# KiCad board mod-badge-inercia.kicad_pcb
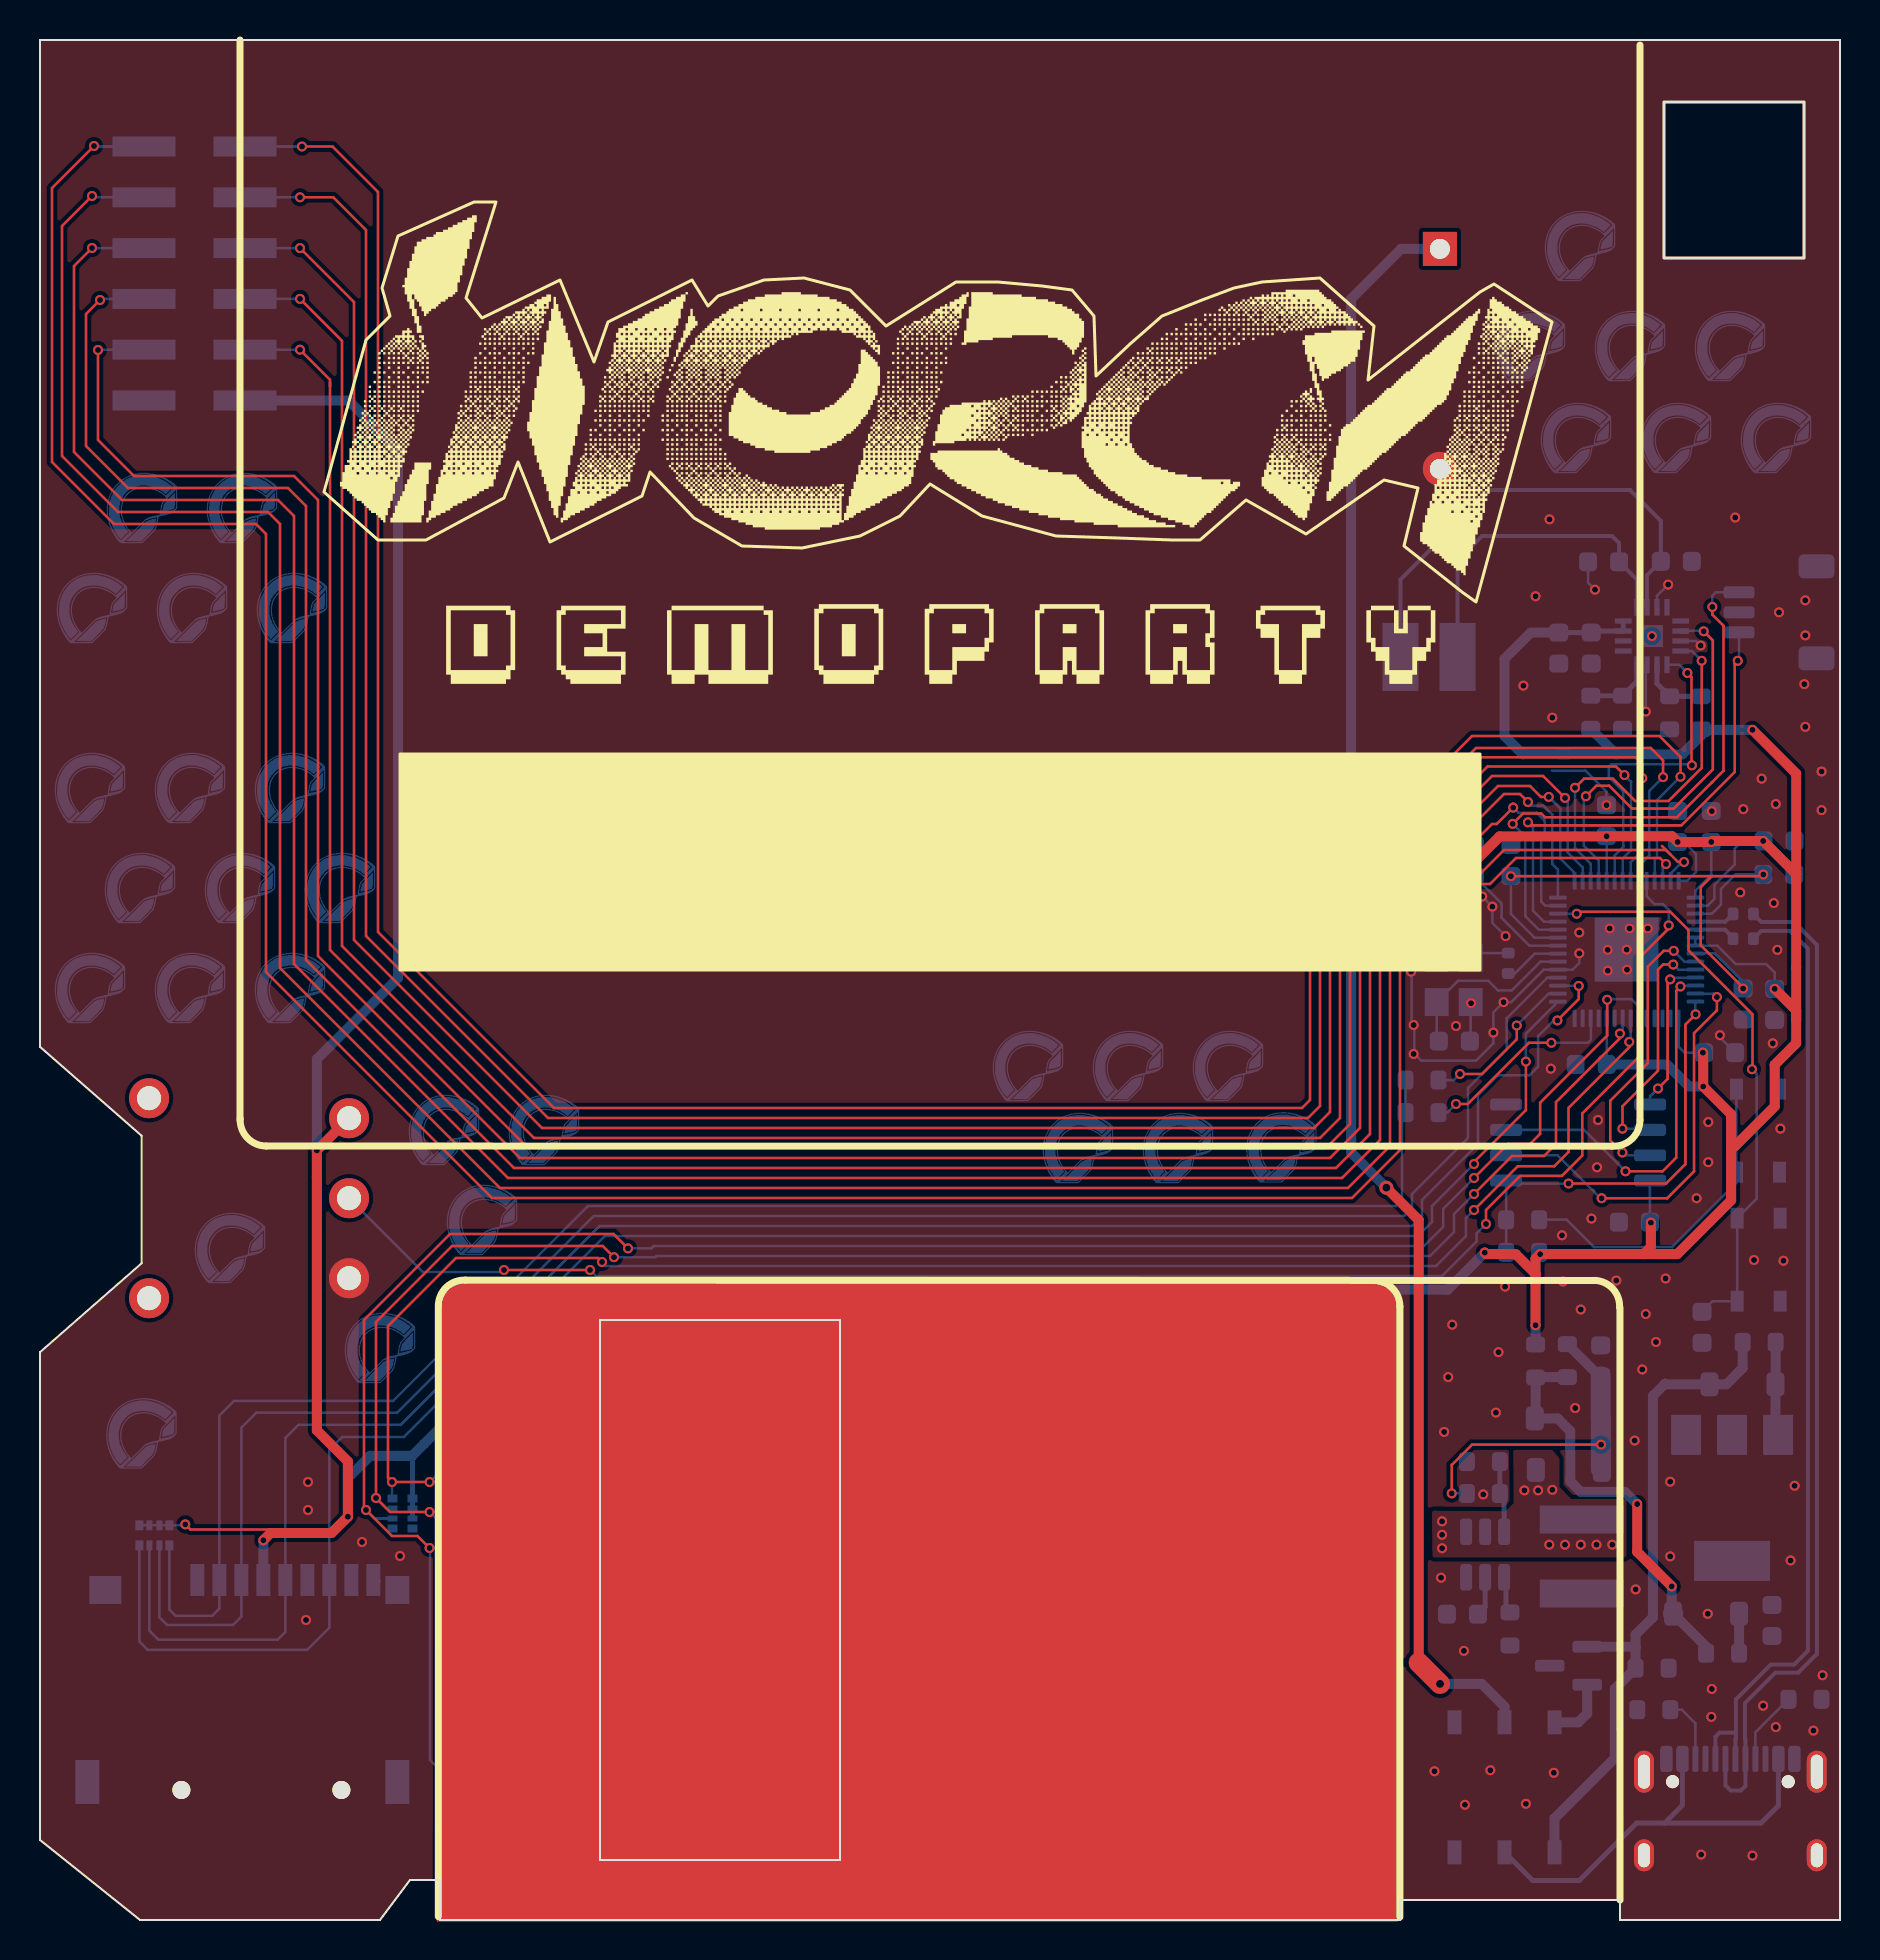
[diagram p0: board, top side]
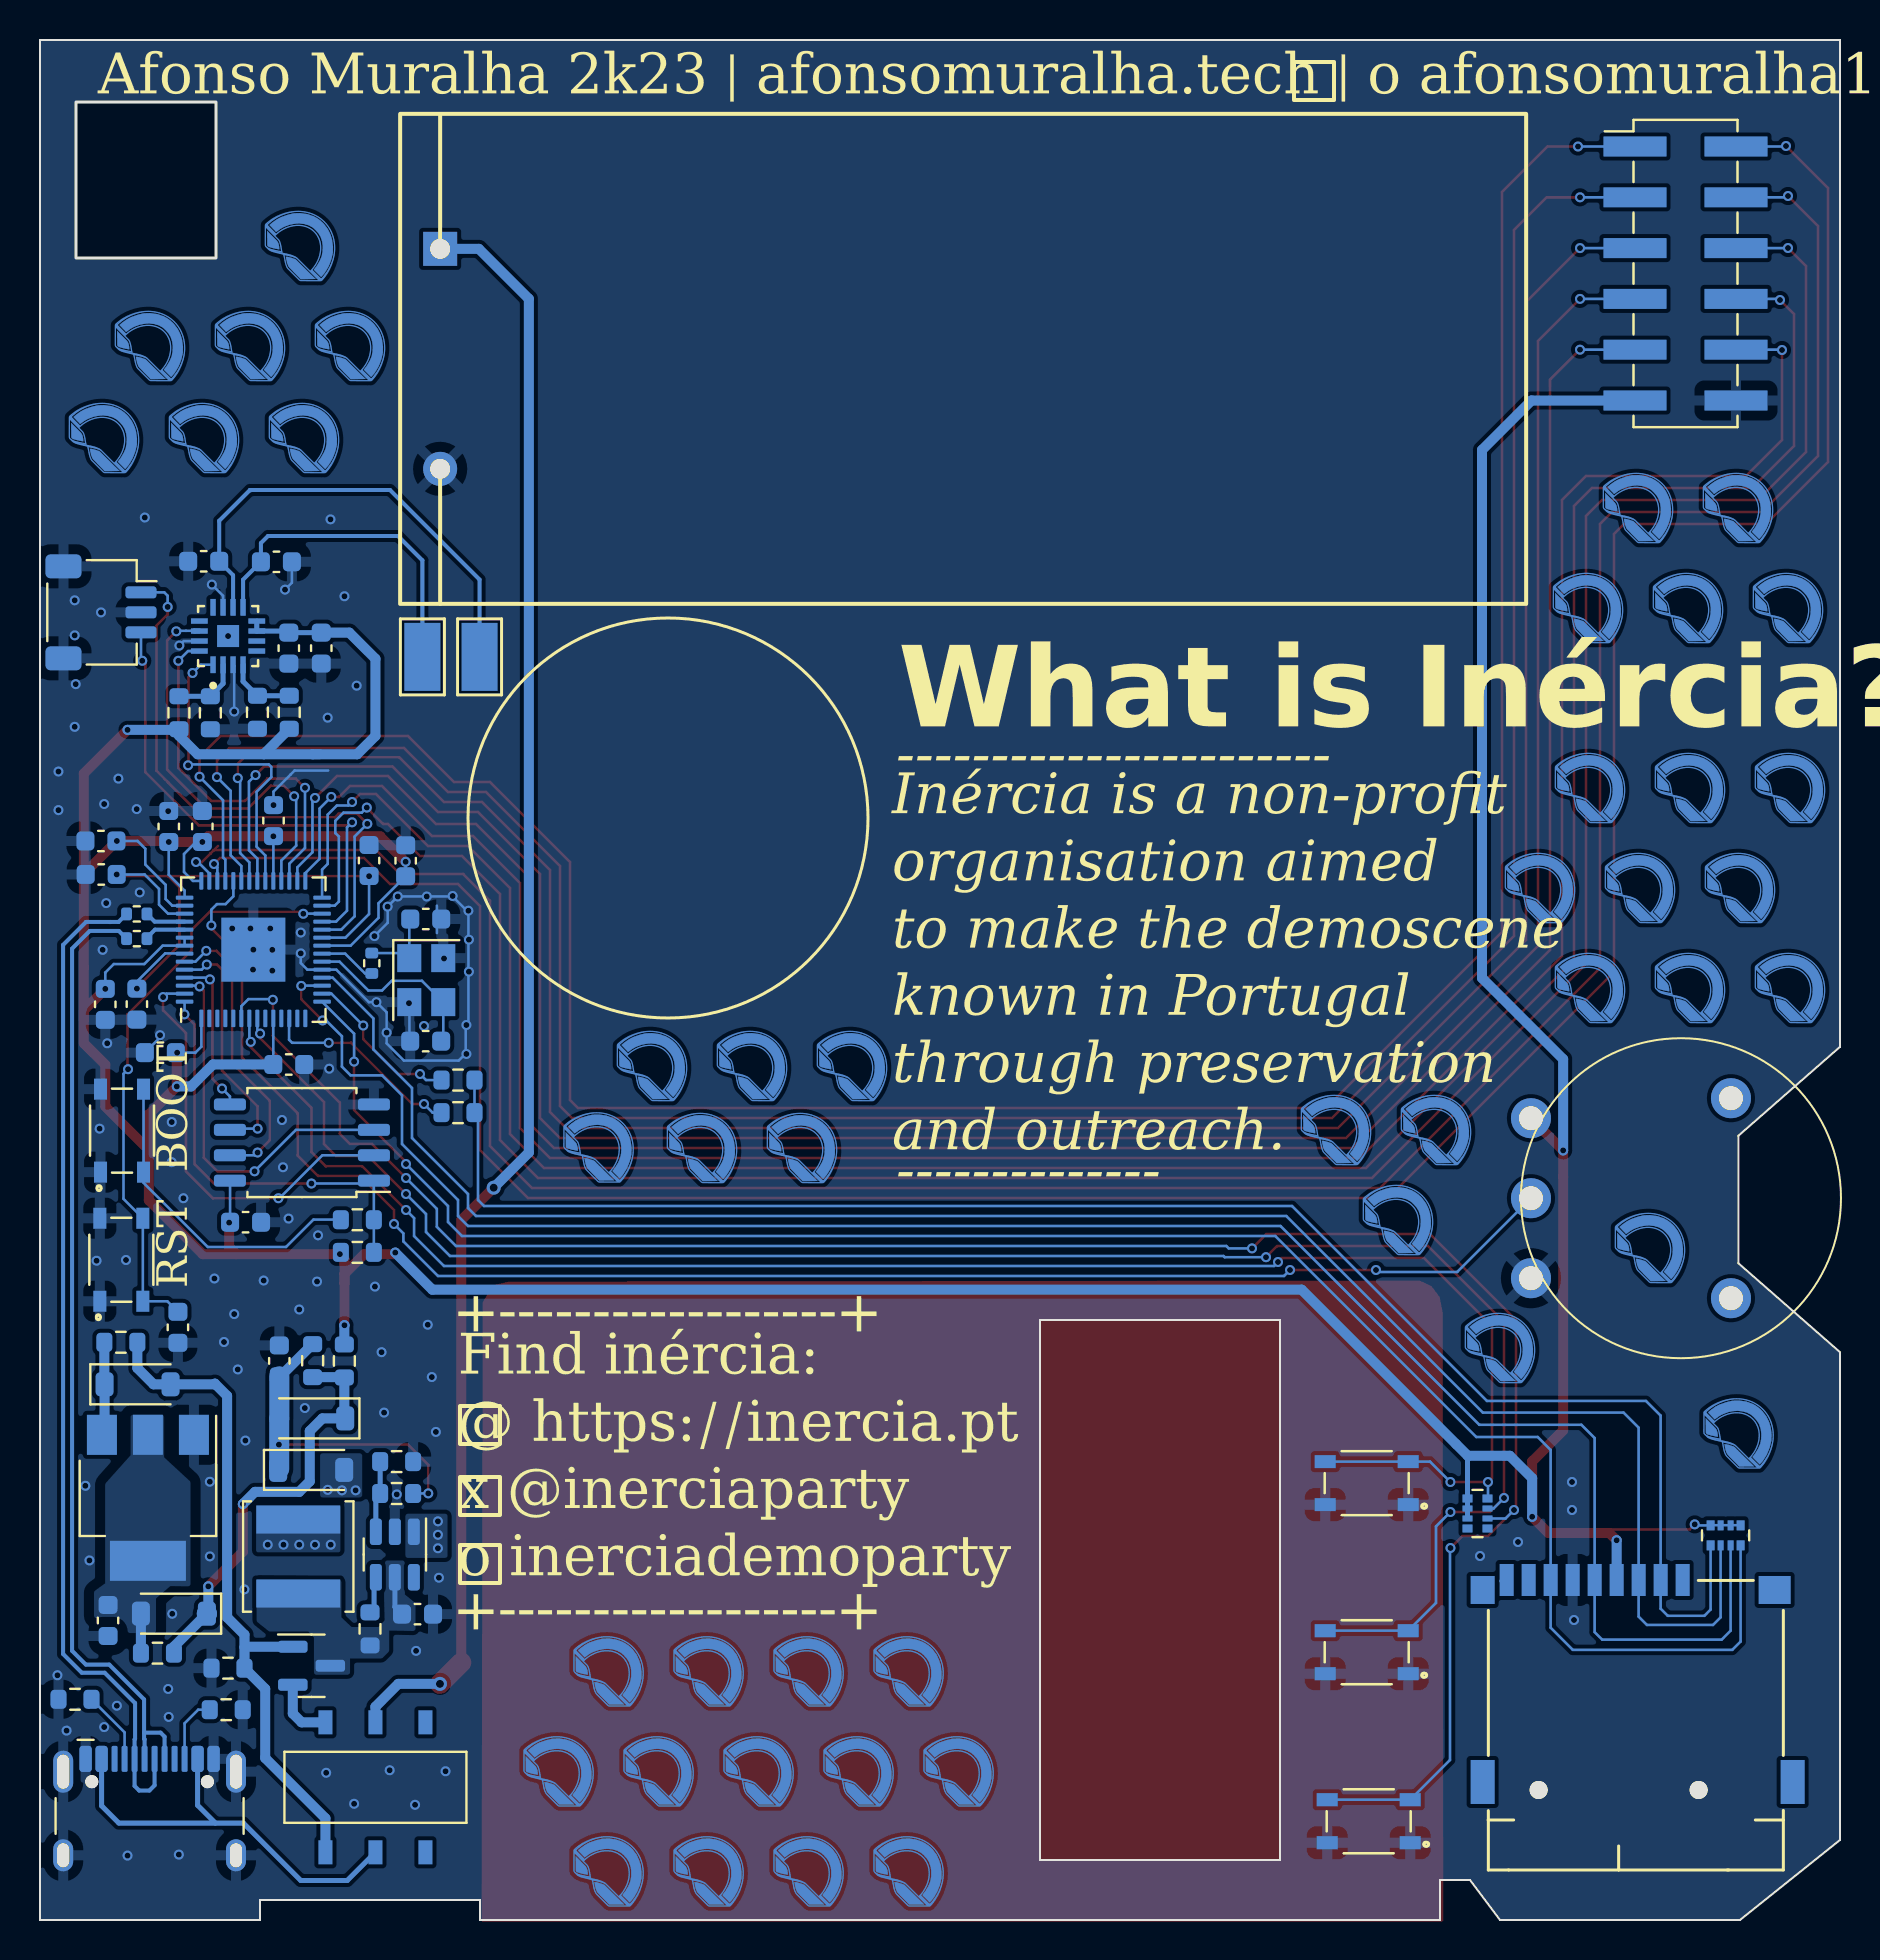
[diagram p1: board, bottom side, seen from below]

Outline 90 x 94 mm; copper layers: Top, In1.Cu, In2.Cu, Bottom. Coordinates in mm from the lower left corner of the outline.
Outline path: rectangle 81.2,90.9 88.2,83.1 ; 0,43.66 0,94 90,94 90,0 79,0 79,1 68,1 68,0 20,0 20,2 18.5,2 17,0 5,0 0,4 0,28.39 5.08,32.84 5.08,39.21 0,43.66 ; 28,30 28,3 40,3 40,30 28,30
Stack: Top 0.035mm / dielectric 0.1mm FR4 er 4.5 / In1.Cu 0.035mm / dielectric 1.24mm FR4 er 4.5 / In2.Cu 0.035mm / dielectric 0.1mm FR4 er 4.5 / Bottom 0.035mm

## Placement (name value [footprint] x y rotation side)
BT1  Battery  [AAA-HOLDER-THD]  69.99 83.56 0 bottom
C1  28uF  [C_0603_1608Metric]  78.03 27.96 90 bottom
C2  28uF  [C_0603_1608Metric]  86.6 14.98 270 bottom
C3  100n  [C_0603_1608Metric]  85.16 45.8 270 bottom
C4  100n  [C_0603_1608Metric]  73.55 52.97 90 bottom
C5  1u  [C_0603_1608Metric]  86.94 52.28 0 bottom
C6  100n  [C_0603_1608Metric]  81.88 54.68 90 bottom
C7  100n  [C_0603_1608Metric]  83.56 54.68 90 bottom
C8  100n  [C_0603_1608Metric]  86.74 45.78 270 bottom
C9  100n  [C_0603_1608Metric]  77.56 42.78 180 bottom
C10  100n  [C_0603_1608Metric]  83.98 43.37 0 bottom
C11  100n  [C_0603_1608Metric]  71.72 52.96 90 bottom
C12  100n  [C_0603_1608Metric]  78.32 54.97 90 bottom
C13  1u  [C_0603_1608Metric]  86.95 53.95 0 bottom
C14  100n  [C_0603_1608Metric]  79.72 34.89 180 bottom
C15  27p  [C_0603_1608Metric]  70.72 43.94 180 bottom
C16  27p  [C_0603_1608Metric]  70.71 50.05 0 bottom
C17  100n  [C_0603_1608Metric]  83.1 29.63 270 bottom
C18  10u  [C_0603_1608Metric]  77.56 63.59 90 bottom
C19  100n  [C_0603_1608Metric]  75.94 63.59 90 bottom
C20  220p  [C_0603_1608Metric]  78.18 67.91 0 bottom
C21  220p  [C_0603_1608Metric]  81.82 67.94 180 bottom
C22  28uF  [C_0603_1608Metric]  71.12 15.29 180 bottom
D1  D_Schottky  [D_SOD-123]  76.44 22.5 180 bottom
D2  D_Schottky  [D_SOD-123]  83.31 15.32 0 bottom
D3  D_Schottky  [D_SOD-123]  76.39 25.08 0 bottom
D15  D_Schottky  [D_SOD-123]  85.12 26.78 180 bottom
G***  LOGO  [inercia_full1]  46.1 75.7 0 top
J1  USB_C_Receptacle_USB2.0  [USB_C_Receptacle_HCTL_HC-TYPE-C-16P-01A]  84.52 4.31 180 bottom
J2  Micro_SD_Card_Det1  [J_sd_micro_socket]  11.08 9.98 0 bottom
J3  Conn_01x03_MountingPin  [JST_SH_SM03B-SRSS-TB_1x03-1MP_P1.00mm_Horizontal]  86.95 65.38 270 bottom
J4  Conn_01x01_Pin  [TestPoint_Keystone_5015_Micro-Minature]  70.88 63.16 90 bottom
J5  Conn_01x01_Pin  [TestPoint_Keystone_5015_Micro-Minature]  68.02 63.16 90 bottom
J7  Conn_02x06_Odd_Even  [PinHeader_2x06_P2.54mm_Vertical_SMD]  7.72 82.33 180 bottom
L1  22uH  [L_Changjiang_FNR5040S]  77.09 18.17 90 bottom
Q2  AO3401A  [SOT-23]  76.42 12.71 180 bottom
R1  11.5k  [R_0603_1608Metric]  72.17 21.32 0 bottom
R2  2.55k  [R_0603_1608Metric]  72.17 22.92 180 bottom
R3  R  [R_0603_1608Metric]  73.5 14.56 90 bottom
R5  10k  [R_0603_1608Metric]  80.6 12.59 0 bottom
R6  5.1k  [R_0603_1608Metric]  80.69 10.51 180 bottom
R7  5.1k  [R_0603_1608Metric]  88.25 11.04 0 bottom
R8  DNI  [R_0603_1608Metric]  74.13 33.38 180 bottom
R9  1k  [R_0603_1608Metric]  74.13 35.01 180 bottom
R10  1k  [R_0402_1005Metric]  73.41 47.84 270 bottom
R11  27.4  [R_0402_1005Metric]  85.16 49.07 180 bottom
R12  27.4  [R_0402_1005Metric]  85.16 50.3 180 bottom
R13  DNI  [R_0603_1608Metric]  69.1 40.37 180 bottom
R14  DNI  [R_0603_1608Metric]  69.1 42 180 bottom
R18  0  [R_0603_1608Metric]  76.37 27.97 270 bottom
R19  0  [R_0603_1608Metric]  79.13 60.39 90 bottom
R20  0  [R_0603_1608Metric]  84.13 13.34 180 bottom
R21  1M  [R_0603_1608Metric]  77.54 60.39 90 bottom
R22  0  [R_0603_1608Metric]  83.05 60.36 90 bottom
R23  0  [R_0603_1608Metric]  81.48 60.36 90 bottom
R24  0  [R_0603_1608Metric]  74.78 27.95 90 bottom
R33  0  [R_0603_1608Metric]  85.96 28.89 0 bottom
REF**  -  [demopart2_silk]  45.9 64.6 0 top
REF**#2  -  [id_logo2_cu]  2.33 56.77 135 bottom
REF**#3  -  [id_logo2_cu]  9.33 33.77 135 bottom
REF**#4  -  [id_logo2_cu]  7.33 46.77 135 bottom
REF**#5  -  [id_logo2_cu]  49.23 42.87 135 bottom
REF**#6  -  [id_logo2_cu]  74.33 78.87 135 bottom
REF**#7  -  [id_logo2_cu]  46.4 12.6 135 bottom
REF**#8  -  [id_logo2_cu]  7.33 56.77 135 bottom
REF**#9  -  [id_logo2_cu]  63.9 7.6 135 bottom
REF**#10  -  [id_logo2_cu]  54.23 42.87 135 bottom
REF**#11  -  [id_logo2_cu]  84.33 78.87 135 bottom
REF**#12  -  [id_logo2_cu]  2.43 65.77 135 bottom
REF**#13  -  [id_logo2_cu]  61.9 38.8 135 bottom
REF**#14  -  [id_logo2_cu]  20.03 39.67 135 bottom
REF**#15  -  [id_logo2_cu]  51.4 12.6 135 bottom
REF**#16  -  [id_logo2_cu]  86.63 74.27 135 bottom
REF**#17  -  [id_logo2_cu]  51.73 38.77 135 bottom
REF**#18  -  [id_logo2_cu]  61.4 2.6 135 bottom
REF**#19  -  [id_logo2_cu]  14.83 51.77 135 bottom
REF**#20  -  [id_logo2_cu]  43.9 7.6 135 bottom
REF**#21  -  [id_logo2_cu]  12.33 56.77 135 bottom
REF**#22  -  [id_logo2_cu]  53.9 7.6 135 bottom
REF**#23  -  [id_logo2_cu]  4.83 51.77 135 bottom
REF**#24  -  [id_logo2_cu]  76.63 74.27 135 bottom
REF**#25  -  [id_logo2_cu]  58.9 7.6 135 bottom
REF**#26  -  [id_logo2_cu]  9.83 51.77 135 bottom
REF**#27  -  [id_logo2_cu]  4.93 70.77 135 bottom
REF**#28  -  [id_logo2_cu]  46.4 2.6 135 bottom
REF**#29  -  [id_logo2_cu]  25.03 39.67 135 bottom
REF**#30  -  [id_logo2_cu]  16.83 28.77 135 bottom
REF**#31  -  [id_logo2_cu]  21.93 35.17 135 bottom
REF**#32  -  [id_logo2_cu]  9.93 70.77 135 bottom
REF**#33  -  [id_logo2_cu]  76.83 83.87 135 bottom
REF**#34  -  [id_logo2_cu]  56.4 12.6 135 bottom
REF**#35  -  [id_logo2_cu]  51.4 2.6 135 bottom
REF**#36  -  [id_logo2_cu]  4.9 24.5 135 bottom
REF**#37  -  [id_logo2_cu]  2.33 46.77 135 bottom
REF**#38  -  [id_logo2_cu]  56.73 38.77 135 bottom
REF**#39  -  [id_logo2_cu]  61.4 12.6 135 bottom
REF**#40  -  [id_logo2_cu]  48.9 7.6 135 bottom
REF**#41  -  [id_logo2_cu]  12.33 46.77 135 bottom
REF**#42  -  [id_logo2_cu]  7.43 65.77 135 bottom
REF**#43  -  [id_logo2_cu]  81.63 74.27 135 bottom
REF**#44  -  [id_logo2_cu]  12.43 65.77 135 bottom
REF**#45  -  [id_logo2_cu]  59.23 42.87 135 bottom
REF**#46  -  [id_logo2_cu]  56.4 2.6 135 bottom
REF**#47  -  [id_logo2_cu]  79.33 78.87 135 bottom
RN1  4x1k  [R_Array_Convex_4x0402]  5.72 19.23 270 bottom
RN2  R_Pack04_Split  [R_Array_Convex_4x0402]  18.12 20.33 180 bottom
RV1  R_Potentiometer  [gear-dial-pot-3pin]  7.95 36.09 270 bottom
SW2  SW_MEC_5E  [SW_SKRPACE010]  85.93 33.01 90 bottom
SW3  SW_MEC_5E  [SW_SKRPACE010]  85.9 39.47 90 bottom
SW4  SW_MEC_5E  [SW_SKRPACE010]  23.57 4.94 0 bottom
SW5  SW_MEC_5E  [SW_SKRPACE010]  23.67 21.84 0 bottom
SW6  SW_MEC_5E  [SW_SKRPACE010]  23.67 13.39 0 bottom
SW7  SW_Push_DPDT  [SS-3235S-L2]  73.23 6.63 0 bottom
U1  RP2040  [QFN-56-1EP_7x7mm_P0.4mm_EP3.2x3.2mm]  79.33 48.52 90 bottom
U2  MT3608  [SOT-23-6]  72.26 18.27 270 bottom
U3  AMS1117-3.3  [SOT-223-3_TabPin2]  84.6 21.11 270 bottom
U4  W25Q32JVSS  [SOIC-8_5.23x5.23mm_P1.27mm]  76.9 38.87 0 bottom
U5  MAX98357AETE_T  [QFN50P300X300X80-17N]  80.6 64.2 90 bottom
Y1  12MHZ  [Crystal_SMD_3225-4Pin_3.2x2.5mm]  70.69 46.99 270 bottom

## Library data of the parts
BT1 = -: Description: Multiple-cell battery
C1-C22 = -: Description: Unpolarized capacitor, small symbol
D1-D3 D15 = -: Description: Schottky diode
J1 = -: Description: USB 2.0-only Type-C Receptacle connector
J2 = -: Description: Micro SD Card Socket with one card detection pin
J3 = -: Description: Generic connectable mounting pin connector, single row, 01x03, script generated (kicad-library-utils/schlib/autogen/connector/)
J4 J5 = -: Description: Generic connector, single row, 01x01, script generated
J7 = -: Description: Generic connector, double row, 02x06, odd/even pin numbering scheme (row 1 odd numbers, row 2 even numbers), script generated (kicad-library-utils/schlib/autogen/connector/)
L1 = -: Description: Inductor
Q2 = -: Description: -4.0A Id, -30V Vds, P-Channel MOSFET, SOT-23
R1-R3 R5-R14 R18-R24 R33 = -: Description: Resistor
RN1 = -: Description: 4 resistor network, parallel topology
RN2 = -: Description: 4 resistor network, parallel topology, split
RV1 = -: Description: Potentiometer
SW2-SW6 = -: Description: MEC 5E single pole normally-open tactile switch
SW7 = -: Description: Momentary Switch, dual pole double throw
U1 = -: Description: A microcontroller by Raspberry Pi
U2 = -: Description: High Efficiency 1.2MHz 2A Step Up Converter, 2-24V Vin, 28V Vout, 4A current limit, 1.2MHz, SOT23-6
U3 = -: Description: 1A Low Dropout regulator, positive, 3.3V fixed output, SOT-223
U4 = -: Description: 32Mb Serial Flash Memory, Standard/Dual/Quad SPI, SOIC-8
U5 = -: Description: Tiny, Low-Cost, PCM Class D Amplifier with Class AB Performance; Availability: In Stock; Check_prices: https://www.snapeda.com/parts/MAX98357AETE+T/Analog+Devices/view-part/?ref=eda; MF: Analog Devices; MP: MAX98357AETE+T; Package: TQFN-16 Maxim; Price: None; Purchase-URL: https://www.snapeda.com/api/url_track_click_mouser/?unipart_id=48842&manufacturer=Analog Devices&part_name=MAX98357AETE+T&search_term=max98357; SnapEDA_Link: https://www.snapeda.com/parts/MAX98357AETE+T/Analog+Devices/view-part/?ref=snap
Y1 = -: Description: Four pin crystal, GND on pins 2 and 4, small symbol
